# Altium PCB Fornello.PcbDoc (part 1 of 2) (continued)
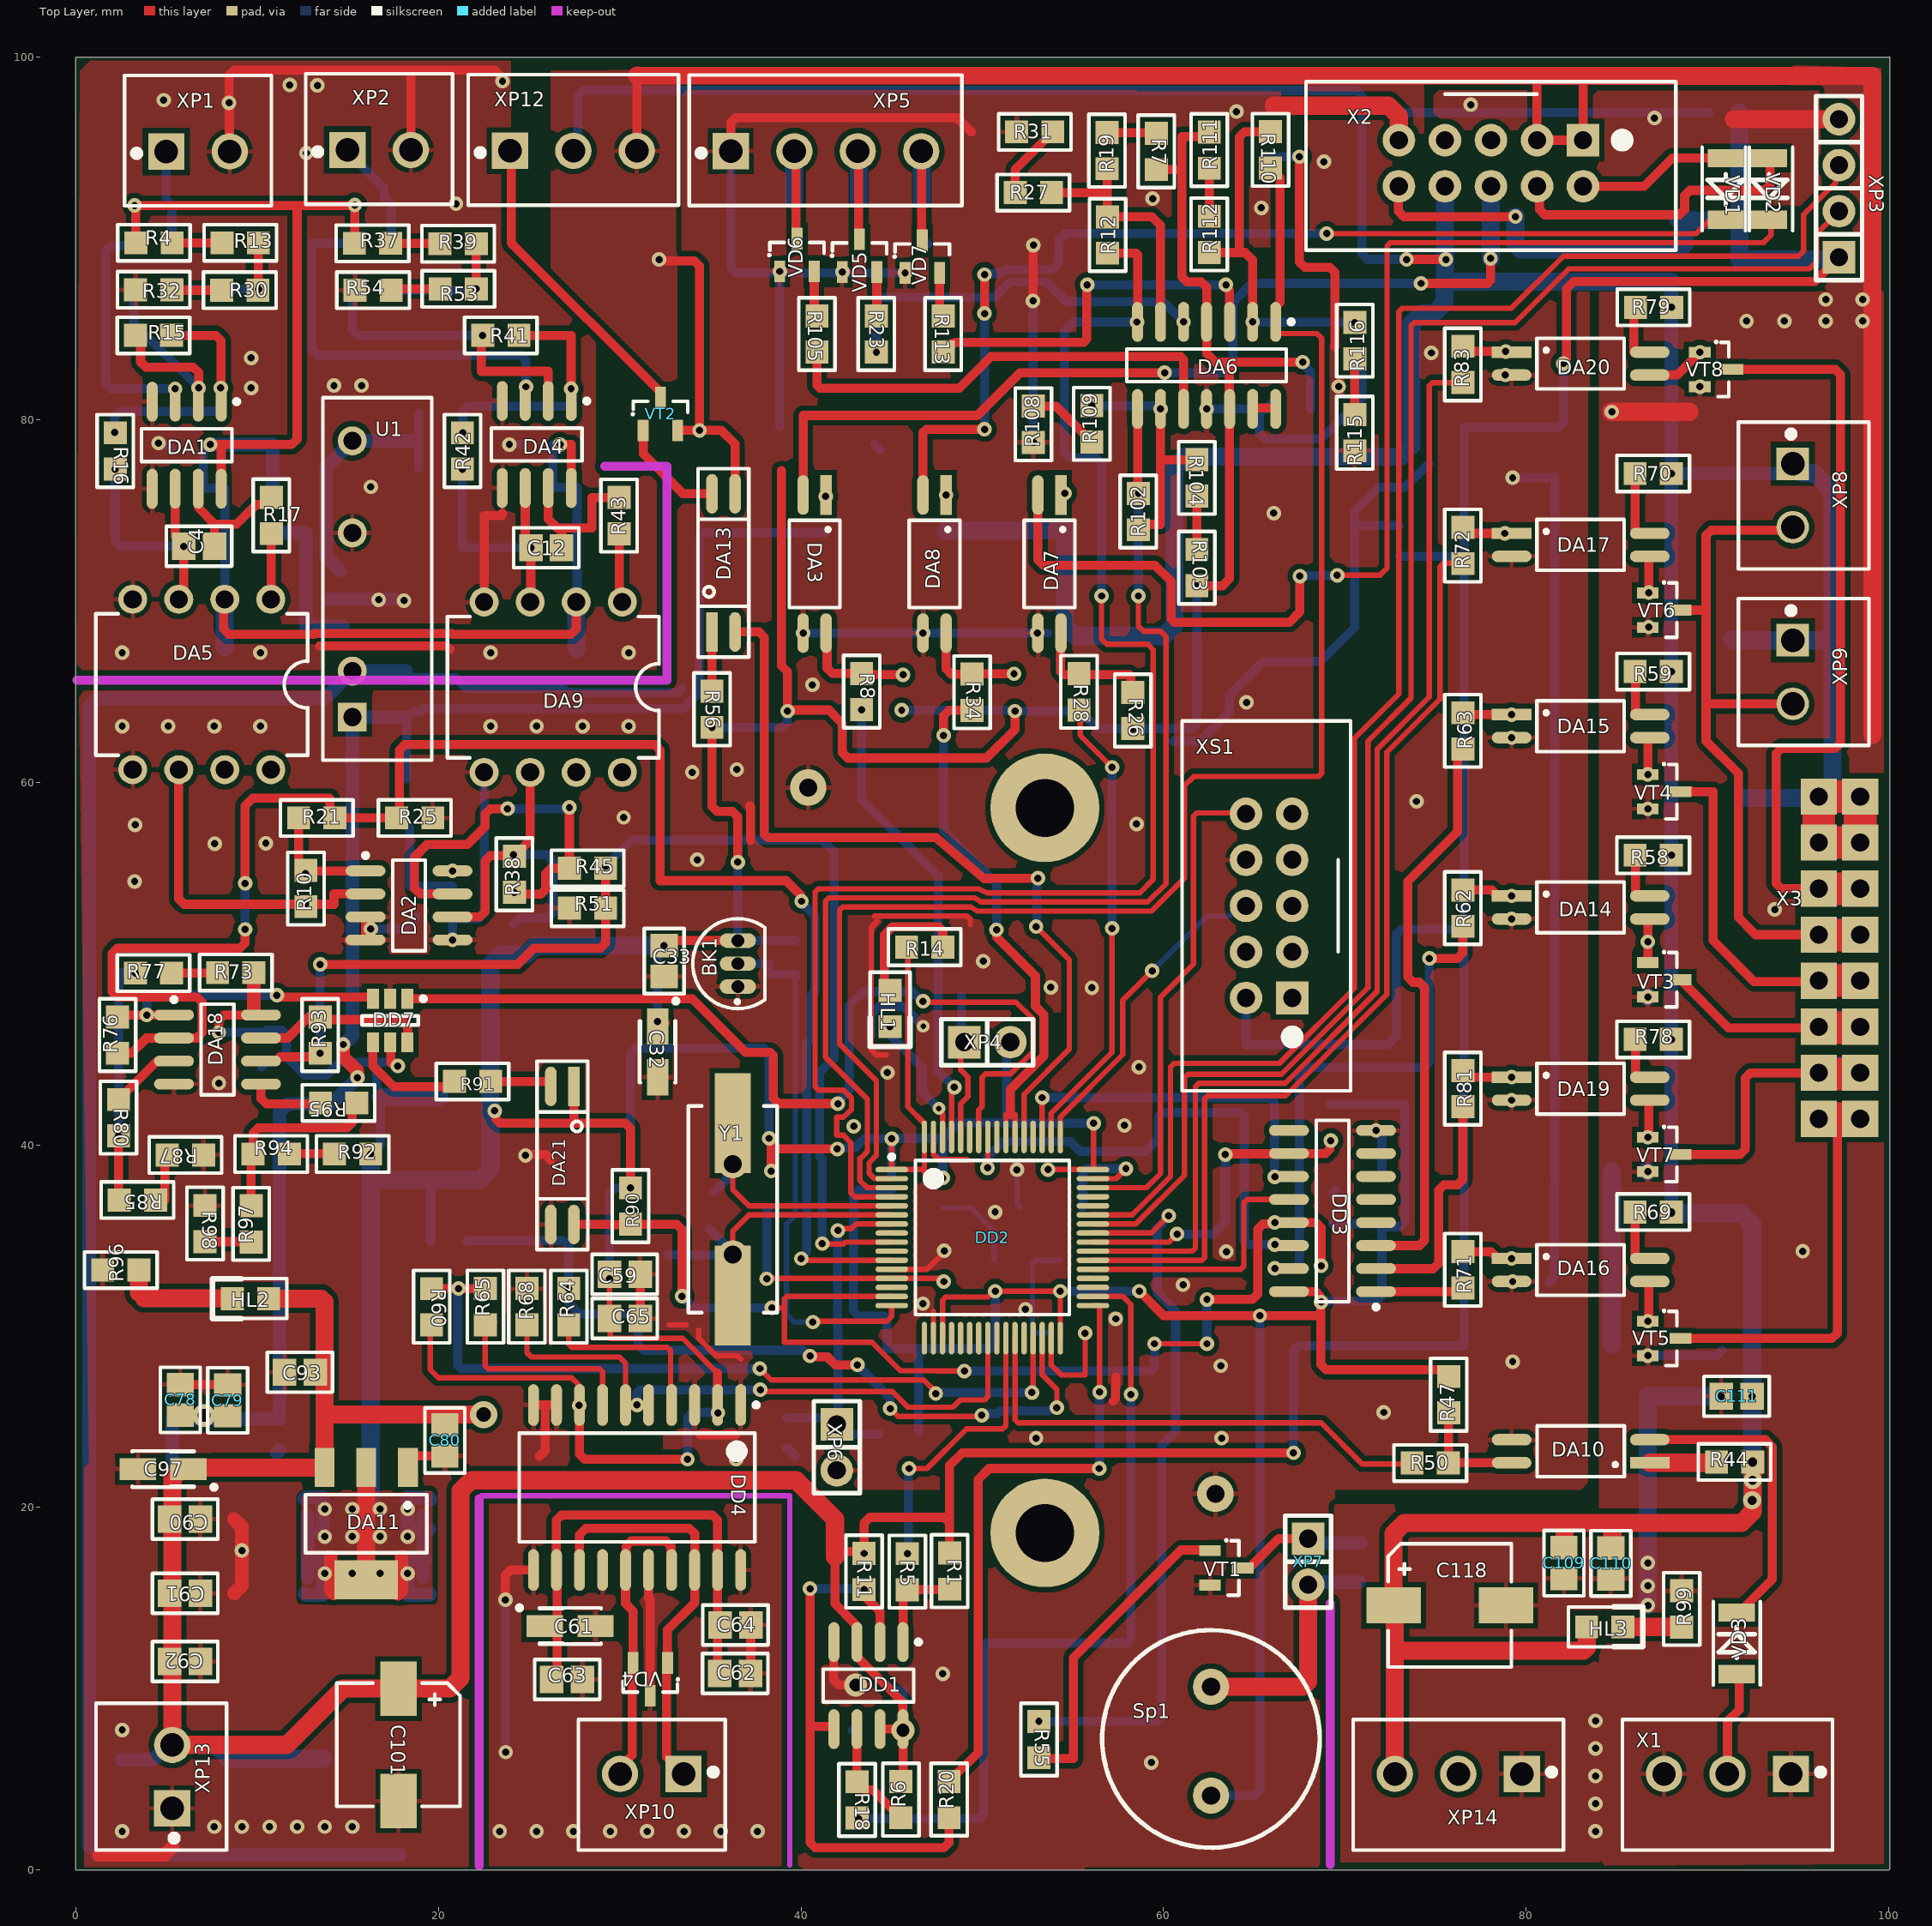
[diagram p0: Top Layer view]
## Footprints (in the part's own frame and the unit in brackets; to place one, negate y for a bottom-side part, rotate by r counter-clockwise, add the part's x,y. Pads: shape width x height; smd on the part's side, far side on the other; paste and mask are expansions set on the pad)
6.3D [mm]
  rect 3x2 smd: 1(-3.1,0) 2(3.1,0)
  silkscreen extent -3.4,-3.4 3.4,3.4, body extent -3.5,-3.3 3.5,3.3, height 5.4
15EDGVC-3.5-02P#1 [mm]
  rect 2x2 hole 1.3: 1(-1.75,0)
  round 2 hole 1.3: 2(1.75,0)
  silkscreen extent -4.05,-3 4.05,4.2, body extent -3.9,-3 3.9,4.2, height 9.21
15EDGVC-3.5-02P#2 [mm]
  rect 1.8x1.8 hole 1.3: 1(-1.75,0)
  round 1.8 hole 1.3: 2(1.75,0)
  silkscreen extent -4.05,-3 4.05,4.2, body extent -3.9,-3 3.9,4.2, height 9.21
15EDGVC-3.5-03P-2 [mm]
  rect 2x2 hole 1.3: 1(-1.75,0)
  round 2 hole 1.3: 2(1.75,0) 3(5.25,0)
  silkscreen extent -4.05,-3 7.55,4.2, body extent -3.9,-6.34 7.4,4.77, height 18.12
15EDGVC-3.5-04P [mm]
  rect 2x2 hole 1.3: 1(0,0)
  round 2 hole 1.3: 2(3.5,0) 3(7,0) 4(10.5,0)
  silkscreen extent -2.3,-3 12.75,4.2, body extent -2.15,-6.34 12.6,4.77, height 18.12
0805 [mm]
  rect 1.27x1.27 smd: 1(-1,0) 2(1,0)
  silkscreen extent -2,-1 2,1, body extent -1,-0.6 1,0.6, height 0.95
cap0805 [mm]
  rect 1.3x1.5 smd: 1(-0.85,0) 2(0.85,0)
  silkscreen extent -1.8,-1.1 1.8,1.1, body extent -1,-0.62 1,0.63, height 0.61
DIP8 [mm]
  round 1.6 hole 1: 1(-3.81,-4.699) 2(-1.27,-4.699) 3(1.27,-4.699) 4(3.81,-4.699) 5(3.81,4.699) 6(1.27,4.699) 7(-1.27,4.699) 8(-3.81,4.699)
  silkscreen extent -5.84,-3.9 5.84,3.9, body extent -5.5,-5.2 5.5,5.2, height 4.64
IDC-10 [mm]
  rect 1.8x1.8 hole 1: 1(-5.08,-1.27)
  round 1.8 hole 1: 2(-5.08,1.27) 3(-2.54,-1.27) 4(-2.54,1.27) 5(0,-1.27) 6(0,1.27) 7(2.54,-1.27) 8(2.54,1.27) 9(5.08,-1.27) 10(5.08,1.27)
  silkscreen extent -10.2,-4.5 10.2,4.8, body extent -10.2,-4.45 10.2,4.9, height 9.35
Led0805 [mm]
  rect 1.27x1.27 smd: 1(-1,0) 2(1,0)
  silkscreen extent -2,-1.1 2.1,1.1, body extent -1.01,-0.62 1.01,0.62, height 1.11
LQFP64 [mm] "Thin QFP, 64-Leads, Body 10x10mm, Pitch 0.5mm, IPC Medium Density"
  oval 1.8x0.3 smd: 1(-5.55,3.75) 2(-5.55,3.25) 3(-5.55,2.75) 4(-5.55,2.25) 5(-5.55,1.75) 6(-5.55,1.25) 7(-5.55,0.75) 8(-5.55,0.25) 9(-5.55,-0.25) 10(-5.55,-0.75) 11(-5.55,-1.25) 12(-5.55,-1.75) 13(-5.55,-2.25) 14(-5.55,-2.75) 15(-5.55,-3.25) 16(-5.55,-3.75) 33(5.55,-3.75) 34(5.55,-3.25) 35(5.55,-2.75) 36(5.55,-2.25) 37(5.55,-1.75) 38(5.55,-1.25) 39(5.55,-0.75) 40(5.55,-0.25) 41(5.55,0.25) 42(5.55,0.75) 43(5.55,1.25) 44(5.55,1.75) 45(5.55,2.25) 46(5.55,2.75) 47(5.55,3.25) 48(5.55,3.75)
  oval 0.3x1.8 smd: 17(-3.75,-5.55) 18(-3.25,-5.55) 19(-2.75,-5.55) 20(-2.25,-5.55) 21(-1.75,-5.55) 22(-1.25,-5.55) 23(-0.75,-5.55) 24(-0.25,-5.55) 25(0.25,-5.55) 26(0.75,-5.55) 27(1.25,-5.55) 28(1.75,-5.55) 29(2.25,-5.55) 30(2.75,-5.55) 31(3.25,-5.55) 32(3.75,-5.55) 49(3.75,5.55) 50(3.25,5.55) 51(2.75,5.55) 52(2.25,5.55) 53(1.75,5.55) 54(1.25,5.55) 55(0.75,5.55) 56(0.25,5.55) 57(-0.25,5.55) 58(-0.75,5.55) 59(-1.25,5.55) 60(-1.75,5.55) 61(-2.25,5.55) 62(-2.75,5.55) 63(-3.25,5.55) 64(-3.75,5.55)
  silkscreen extent -5.67,-4.25 4.25,4.57, body extent -6,-6 6,6, height 1.6
Pl_connect [mm]
  rect 2x2 hole 1: 1(-1.143,0) 2(1.143,0) 3(-1.143,2.54) 4(1.143,2.54) 5(-1.143,5.08) 6(1.143,5.08) 7(-1.143,7.62) 8(1.143,7.62) 9(-1.143,10.16) 10(1.143,10.16) 11(-1.143,12.7) 12(1.143,12.7) 13(-1.143,15.24) 14(1.143,15.24) 15(-1.143,17.78) 16(1.143,17.78)
PLS2 [mm]
  rect 1.8x1.8 hole 1: 1(0,-1.27)
  round 1.8 hole 1: 2(0,1.27)
  silkscreen extent -1.27,-2.54 1.27,2.53, body extent -1.27,-2.54 1.27,2.54, height 8.54
PLS4 [mm]
  rect 1.8x1.8 hole 1: 1(0,-3.81)
  round 1.8 hole 1: 2(0,-1.27) 3(0,1.27) 4(0,3.81)
  silkscreen extent -1.27,-5.08 1.27,5.08, body extent -1.27,-5.08 1.27,5.08, height 8.44
res0805 [mm]
  rect 1.27x1.27 smd: 1(-1,0) 2(1,0)
  silkscreen extent -2,-1 2,1, body extent -1,-0.63 1,0.62, height 0.61
SIP7S [mm]
  rect 1.6x1.6 hole 1: 1(-7.62,1.778)
  round 1.6 hole 1: 2(-5.08,1.778) 3(2.54,1.778) 4(7.62,1.778)
  silkscreen extent -10,-2.6 10,3.4, body extent -10,-2.6 10,3.4, height 9.31
SO-8 [mm] "8-Pin Small Outline Integrated Circuit 1.27 mm Pitch, IPC Medium Density"
  oval 2.2x0.6 smd: 1(-2.4,1.905) 2(-2.4,0.635) 3(-2.4,-0.635) 4(-2.4,-1.905) 5(2.4,-1.905) 6(2.4,-0.635) 7(2.4,0.635) 8(2.4,1.905)
  silkscreen extent -2.52,-2.5 0.9,2.88, body extent -3,-2.45 3,2.45, height 1.6
SO-8_N [mm] "8-Pin Small Outline Integrated Circuit 1.27 mm Pitch, IPC Medium Density"
  oval 2.2x0.6 smd: 1(-2.4,1.905) 2(-2.4,0.635) 3(-2.4,-0.635) 4(-2.4,-1.905) 5(2.4,-1.905) 6(2.4,-0.635) 7(2.4,0.635) 8(2.4,1.905)
  silkscreen extent -2.52,-2.5 0.9,2.88, body extent -1.95,-2.45 1.95,2.45, height 1.75
SO-14 [mm]
  oval 2.2x0.6 smd: 1(-2.4,3.81) 2(-2.4,2.54) 3(-2.4,1.27) 4(-2.4,0) 5(-2.4,-1.27) 6(-2.4,-2.54) 7(-2.4,-3.81) 8(2.4,-3.81) 9(2.4,-2.54) 10(2.4,-1.27) 11(2.4,0) 12(2.4,1.27) 13(2.4,2.54) 14(2.4,3.81)
  silkscreen extent -2.52,-4.4 0.9,4.79, body extent -3,-4.34 3,4.35, height 1.6
SO-16 [mm] "16-Pin Small Outline Integrated Circuit 1.27 mm Pitch, IPC Medium Density"
  oval 2.2x0.6 smd: 1(-2.4,4.445) 2(-2.4,3.175) 3(-2.4,1.905) 4(-2.4,0.635) 5(-2.4,-0.635) 6(-2.4,-1.905) 7(-2.4,-3.175) 8(-2.4,-4.445) 9(2.4,-4.445) 10(2.4,-3.175) 11(2.4,-1.905) 12(2.4,-0.635) 13(2.4,0.635) 14(2.4,1.905) 15(2.4,3.175) 16(2.4,4.445)
  silkscreen extent -2.53,-5 0.9,5.42, body extent -3,-4.95 3,4.95, height 1.4
SO-20_N [mm] "20-Pin Small Outline Integrated Circuit (SOIC20), IPC Medium Density"
  oval 2.3x0.6 smd: 1(-4.55,5.715) 2(-4.55,4.445) 3(-4.55,3.175) 4(-4.55,1.905) 5(-4.55,0.635) 6(-4.55,-0.635) 7(-4.55,-1.905) 8(-4.55,-3.175) 9(-4.55,-4.445) 10(-4.55,-5.715) 11(4.55,-5.715) 12(4.55,-4.445) 13(4.55,-3.175) 14(4.55,-1.905) 15(4.55,-0.635) 16(4.55,0.635) 17(4.55,1.905) 18(4.55,3.175) 19(4.55,4.445) 20(4.55,5.715)
  silkscreen extent -4.67,-6.5 3,6.69, body extent -3.75,-6.4 3.75,6.4, height 2.65
SOD80 [mm]
  rect 1x2 smd: 1(-1.7,0) 2(1.7,0)
  silkscreen extent -2.3,-1.3 2.3,1.3, body extent -1.85,-0.8 1.85,0.8, height 1.6
SOP4 [mil] "SSOP4"
  rect 24.96x86 smd: 1(-25,-150)
  oval 24.96x86 smd: 2(25,-150) 3(25,150) 4(-25,150)
  silkscreen extent -55,-95 55,94, body extent -55,-138 55,138, height 83
SOT23 [mm]
  rect 1.2x0.6 smd: 1(-0.9,0.95) 2(-0.9,-0.95) 3(0.9,0)
  silkscreen extent 0,-1.5 0.7,1.53, body extent -1.25,-1.5 1.25,1.5, height 1.06
SOT23-6 [mm] "SOT23, 5-Leads, Body 2.9x1.6mm, Pitch 0.95mm, Lead Span 2.8mm, IPC Medium Density"
  rect 1.1x0.65 smd: 1(-1.2,0.95) 2(-1.2,0) 3(-1.2,-0.95) 4(1.2,-0.95) 5(1.2,0) 6(1.2,0.95)
  silkscreen extent -1.32,-1.55 0.25,1.95, body extent -1.21,-1.4 1.21,1.4, height 1.09
SOT89 [mm] "SOT-89; Body 4.6 x 4.25 mm, inc. leads (LxW max)"
  oct 1.9x3.3 smd: 0(0,1.388)
  rect 0.7x1.35 smd: 1(-1.5,-1.388) 3(1.5,-1.388)
  rect 0.7x1.8 smd: 2(0,-1.162)
  silkscreen extent -2.5,-2.51 2.5,3.49, body extent -2.25,-1.51 2.25,2.49, height 1.51
SOT223 [mm] "SOT-223/SC-73; 4 Leads; Body 6.7 x 7.3 mm, inc. leads (LxW max)"
  rect 1.1x2.15 smd: 1(-2.3,-3.1) 2(0,-3.1) 3(2.3,-3.1)
  rect 3.5x2.15 smd: 4(0,3.1)
  silkscreen extent -3.35,-1.6 3.35,1.6, body extent -3.25,-3.48 3.25,3.48, height 1.69
Speaker [mm]
  round 2 hole 1: 1(0,3) 2(0,-3)
  silkscreen extent -6,-5.87 5.99,6.13
TC3216-1206-A [mm] "Capacitor, SM Tantalum; Body 3.2 x 1.6 mm (LxW typ)"
  rect 2x1.2 smd: 1(-1.4,0) 2(1.4,0)
  silkscreen extent -2.93,-1 1.7,1.12, body extent -1.6,-0.8 1.6,0.8, height 1.62
TO-92 [mm]
  oval 2x0.8 hole 0.7: 1(0,-1.27) 2(0,0) 3(0,1.27)
  silkscreen extent -2.48,-2.48 1.5,2.48, body extent -2.22,-2.38 1.41,2.38, height 5.74
XT49M [mm]
  round 1.6 hole 1: 1(2.5,0) 2(-2.5,0)
  rect 5.5x2 smd: 1(4.75,0) 2(-4.75,0)
  silkscreen extent -5.7,-2.45 5.7,2.45, body extent -6.4,-2.41 6.4,2.41, height 4.31

## Part data
BK1: "Датчик Далласа", Package=TO-92, Group=Микросхемы, HelpURL=\DATA\DS18B20.pdf, NPads=3, Part Number=DS18B20, SType=TH, ValueSCH=DS18B20
C1 C3 C5 C7 C9 C14 C23 C27 C28 C30 C32 C34 C60 C61 C97 C107 C108 C119 C121 C123: library part capA, "Танталовый конденсатор, SMD", Package="SMD A", Group=Конденсаторы, NPads=2, Part Number=capA, SType=SMD
  C1 C3 C5 C9 C14 C23 C27 C28 C30 C32 C34 C60 C61 C97 C107 C108 C119 C121 C123: ValueSCH=6.8uF
  C7: ValueSCH=6,8uF
C2 C4 C6 C8 C10 C11 C12 C13 C15 C16 C17 C18 C19 C20 C21 C22 C24 C25 C26 C29 C31 C33 C35 C36 C37 C38 C39 C40 C41 C42 C43 C44 C45 C46 C47 C48 C49 C50 C51 C52 C53 C58 C59 C62 C63 C64 C65 C66 C67 C68 C69 C78 C79 C80 C81 C82 C83 C84 C85 C86 C87 C88 C89 C90 C91 C92 C93 C94 C95 C96 C98 C99 C109 C110 C111 C112 C113 C114 C115 C116 C117 C120: library part cap0805, "Керамический конденсатор, SMD", Package="SMD 0805", Group=Конденсаторы, NPads=2, Part Number=cap0805, SType=SMD
  C2 C4 C10 C12: ValueSCH=100pF
  C6 C18 C19 C20 C21 C22 C25 C33 C36 C37 C38 C39 C40 C41 C42 C43 C44 C45 C46 C47 C48 C49 C50 C51 C52 C53 C58 C59 C62 C63 C66 C67 C68 C69 C78 C79 C80 C81 C82 C83 C84 C85 C86 C87 C88 C89 C90 C91 C92 C93 C95 C96 C98 C109 C110 C111 C112 C113 C114 C115 C116 C117: ValueSCH=100n
  C8 C24 C26 C29 C31 C35 C120: ValueSCH=0.1uF
  C11 C13: ValueSCH="20 pF"
  C15 C16: ValueSCH=2.2uF
  C17: ValueSCH="100 nF"
  C64 C65 C94 C99: ValueSCH=10n
C101 C118: library part UCD1V101MCL6GS, "Алюминиевый конденсатор 6.3mm", Package="Can - SMD", Group=Конденсаторы, NPads=2, Part Number=UCD1V101MCL6GS, SType=SMD, ValueSCH=220uF
DA1 DA2 DA4 DA18: "Операционный усилитель 2 в 1", Package=SO-8, Group=Микросхемы, NPads=8, Part Number=AD8602ARZ, SType=SMD, ValueSCH=AD8602ARZ
DA3 DA7 DA8 DA10 DA13 DA14 DA15 DA16 DA17 DA19 DA20 DA21: "Оптопара", Package=SOP4, Group=Микросхемы, HelpURL=\DATA\PS2801.pdf, NPads=4, Part Number=PS2801, SType=SMD, ValueSCH=PS2801
DA5 DA9: "Аналоговый оптрон прецизионный", Package=SOP-8, Group=Микросхемы, NPads=8, Part Number=HCNR200-000E, SType=TH, ValueSCH=HCNR200-000E
DA6: "Операционный усилитель 4 в 1", Package=SO-14, Group=Микросхемы, NPads=14, Part Number=AD8604ARZ, SType=SMD, ValueSCH=AD8604ARZ
DA11: "Линейный стабилизатор 3.3V", Package=SOT223, Analog=SPX1117M3L-3.3, Group=Микросхемы, HelpURL=\DATA\LM1117.pdf, NPads=4, Part Number=LM1117MP-3.3, SType=SMD, ValueSCH=LM1117MP-3.3
DA12: "Линейный стабилизатор 3.3V", Package=SOT89, Group=Микросхемы, NPads=4, Part Number=L78L33ACUTR, SType=SMD, ValueSCH=L78L33ACUTR
DD1: library part FM25040S
DD2: "Микроконтроллер 32 бит CORTEX M4", Package=LQFP64, Group=Микросхемы, NPads=64, Part Number=STM32F405RGT6, SType=SMD, ValueSCH=STM32F405RGT6
DD3: "3-х разрядный сдвиговый регистр", Package=SO-16, Group=Микросхемы, NPads=16, Part Number=MC74HC595AD, SType=SMD, ValueSCH=MC74HC595AD
DD4: "Трансивер RS-485 / RS-422", Package=SO-20, Group=Микросхемы, HelpURL=\DATA\ADM2587E.pdf, NPads=20, Part Number=ADM2587E, SType=SMD, ValueSCH=ADM2587E
DD7: library part SN74LVC1G11DBVR, "Блок одиночный 3И", Package=SOT23-6, Group=Микросхемы, NPads=6, Part Number=SN74LVC1G11DBVR, SType=SMD, ValueSCH=SN74LVC1G97
HL1: "SMD светодиод зеленый", Package="SMD 0805", Group=Диоды, NPads=2, Part Number=KP-2012SGC, SType=SMD, ValueSCH=KP-2012SGC
HL2 HL3: "SMD светодиод красный", Package="SMD 0805", Group=Диоды, NPads=2, Part Number=KP-2012SRC, SType=SMD, ValueSCH=KP-2012SRC
L1 L2 L3: library part L0805, "Чип-индуктивность, SMD", Package="SMD 0805", NPads=2, Part Number=L0805, SType=SMD, ValueSCH=0.47uH
  L1: Group=Индукивности
  L2 L3: Group=Индуктивности
R1 R2 R3 R4 R5 R6 R7 R8 R9 R10 R11 R12 R13 R14 R15 R16 R17 R18 R19 R20 R21 R22 R23 R24 R25 R26 R27 R28 R29 R30 R31 R32 R33 R34 R35 R36 R37 R38 R39 R40 R41 R42 R43 R44 R45 R46 R47 R48 R49 R50 R51 R52 R53 R54 R55 R56 R57 R58 R59 R60 R61 R62 R63 R64 R65 R66 R67 R68 R69 R70 R71 R72 R73 R74 R75 R76 R77 R78 R79 R80 R81 R82 R83 R84 R85 R86 R87 R88 R89 R90 R91 R92 R93 R94 R95 R96 R97 R98 R99 R102 R103 R104 R105 R106 R107 R108 R109 R110 R111 R112 R113 R114 R115 R116: library part res0805, "Резистор 0.125 W, SMD", Package="SMD 0805", Group=Резисторы, NPads=2, Part Number=res0805, SType=SMD
  R1 R6 R11 R57 R60 R61 R68 R82 R84: ValueSCH=4.7k
  R2 R3 R21 R26 R29 R33 R35 R36 R37 R41 R44 R45 R47 R58 R59 R66 R67 R69 R70 R74 R75 R78 R79 R88 R89: ValueSCH=1k
  R4: ValueSCH=4k
  R5 R17 R18 R20 R31 R43 R64 R65 R108 R115: ValueSCH=100
  R7 R19 R25 R97 R103 R104 R111 R112: ValueSCH=2.4k
  R8 R9 R28 R34 R50 R94 R96: ValueSCH=470
  R10 R38: ValueSCH=150k
  R12 R102 R110: ValueSCH=200k
  R13: ValueSCH=600
  R14 R91: ValueSCH=300
  R15: ValueSCH=51k
  R16 R42: ValueSCH=100k
  R22 R24 R46 R49: ValueSCH=10k
  R23 R80 R95 R105 R113: ValueSCH=39k
  R27 R109 R116: ValueSCH=510
  R30 R53: ValueSCH=7.5k
  R32 R39 R54 R92: ValueSCH=0
  R40: ValueSCH=1M
  R48 R52 R86: HelpURL=C:\intmash\DBLIB2\DATASHEETS\Resistors\passive09-resistors-smd.pdf, ValueSCH=10k
  R51: ValueSCH=2.2k
  R55: HelpURL=C:\intmash\DBLIB2\DATASHEETS\Resistors\passive09-resistors-smd.pdf, ValueSCH=1k
  R56 R62 R63 R71 R72 R81 R83: ValueSCH=330
  R73: ValueSCH=220
  R76 R93: ValueSCH=100M
  R77: ValueSCH=1.5k
  R85: ValueSCH=20k
  R87 R90 R98: ValueSCH=3.3k
  R99: ValueSCH=2k
  R106 R107 R114: ValueSCH=4.3k
U1: "Преобразователь 1Вт 5В ->5В", Package=SIP7, Group=Микросхемы, NPads=4, Part Number=AM1D-0505SH30N, SType=TH, ValueSCH=AM1D-0505SH30N
VD1 VD2 VD3: library part TZMC13, "Стабилитрон 13V", Package=SOD80, Analog="ZMM13, BZV55C13", Group=Диоды, HelpURL=\DATA\tzmc13.pdf, NPads=2, Part Number=TZMC13, SType=SMD, ValueSCH=TZMC4V7
VD4: "TVS диодная сборка 2 в 1", Package=SOT23-3, Analog=F6450CT-ND, Group=Диоды, NPads=3, Part Number=SM712-02HTG, SType=SMD, ValueSCH=SM712-02HTG
VD5 VD6 VD7: "Диодная сборка 2 в 1", Package=SOT23-3, Group=Диоды, NPads=3, Part Number=BAV99, SType=SMD, ValueSCH=BAV99
VT1 VT2 VT3 VT4 VT5 VT6 VT7 VT8: "N-канальный MOSFET 30В 1.2А", Part Number=IRLML2803TR, ValueSCH=IRLML2803TR
X1 XP12 XP14: "Вилка на плату 3 конт. шаг 3.5мм", Group=Разъемы, NPads=3, Part Number=15EDGVC-3.5-03P, SType=TH, ValueSCH=15EDGVC-3.5-03P
X2 XS1: "Вилка на плату 5х2 контактов шаг 2.54мм", Group=Разъемы, NPads=10, Part Number=IDC-10, SType=TH, ValueSCH=IDC-10
X3: "Розетка на плату 8х2 контактов.2,54 х 2,54 мм", Group=Разъемы, NPads=16, Part Number=PBD-16, SType=TH, ValueSCH=PBD-16
XP1 XP2 XP8 XP9 XP10 XP13: "Вилка на плату 2 конт. шаг 3.5мм", Group=Разъемы, NPads=2, Part Number=15EDGVC-3.5-02P, SType=TH, ValueSCH=15EDGVC-3.5-02P
  XP8 XP9: AddToBOM=15EDGK-3.5-02P
XP3: "Однорядный штыревой разъем 4 шаг 2.54мм", ValueSCH=PLS-4
XP4 XP6 XP7: "Однорядный штыревой разъем 2 шаг 2.54мм", ValueSCH=PLS-2
XP5: "Вилка на плату 4 конт. шаг 3.5мм", AddToBOM=15EDGK-3.5-04P, Group=Разъемы, NPads=4, Part Number=15EDGVC-3.5-04P, SType=TH, ValueSCH=15EDGVC-3.5-04P
Y1: library part HC-49/U-S, "Кварцевый осциллятор 3.2 - 60 MHz", Group=Резонаторы, HelpURL=\DATA\HC-49.pdf, NPads=2, Part Number=HC-49/U-S, SType=TH, ValueSCH=8MHz

## Free pads (board coordinates)
  round 2 hole 1: 2(40.402,59.718) 3(62.865,20.752)
  round 6 hole 3.2: ""(53.457,18.595) ""(53.457,58.595)

## Via types
v1: diameter 0.8, hole 0.4, Top Layer to Bottom Layer, tented both sides, 184 vias
v2: diameter 0.8, hole 0.4, Top Layer to Bottom Layer, 148 vias
v3: diameter 1.27, hole 0.711, Top Layer to Bottom Layer, 3 vias
v4: diameter 1, hole 0.5, Top Layer to Bottom Layer, tented both sides, 3 vias
v5: diameter 2, hole 1, Top Layer to Bottom Layer, 1 vias
v6: diameter 0.7, hole 0.3, Top Layer to Bottom Layer, 1 vias
v7: diameter 2, hole 1, Top Layer to Bottom Layer, tented bottom, 1 vias
v8: diameter 0.7, hole 0.3, Top Layer to Bottom Layer, tented both sides, 1 vias
v9: diameter 1.5, hole 0.8, Top Layer to Bottom Layer, 1 vias

## Nets (pads, with @x,y where several pads share a name; then routed paths per layer and width w, separated by ;. In a path a pad name is that pad's centre, name@x,y a point inside that pad or via, vN(x,y) a via of type N, cw(c..) or ccw(c..) an arc to the next point about the centre after c; other vN are vias at no path point)
3.3AV: C1.1 C9.1 C28.1 C29.2 C34.1 C35.2 DA1.8 DA4.8 DA5.2 DA9.2 L3.2 R3.2 R4.2 R36.2 R37.2 | length 94.5
  Top Layer w0.5: R4.2@3.308,89.766 3.308,91.675 3.242,91.742 v1(3.242,91.823) 15.364,91.823 v1(15.389,91.849) 15.389,89.563 R37.2@15.415,89.563 ; v1(7.407,78.641) 11.915,78.641 12.208,78.934 12.208,91.544 ; DA1.8@8.021,76.204 8.021,78.641 ; DA5.2@8.216,70.102 8.144,70.03 8.144,68.469 8.437,68.176 13.113,68.176 13.162,68.226 20.743,68.226 20.792,68.176 27.311,68.176 27.604,68.469 DA9.2@27.604,69.954 ; v1(26.714,78.641) 27.331,78.641 DA4.8@27.331,76.241
  Bottom Layer w0.5: C29.2@7.038,76.202 C29.2@7.038,76.228 ; v1(7.407,78.641) 7.388,78.641 7.038,78.291 C29.2@7.038,76.228 ; DA5.2@8.216,70.102 8.216,76.228 C29.2@7.038,76.228 ; L3.2@10.785,75.755 L3.2@10.862,75.755 ; C35.2@26.317,76.202 C35.2@26.317,76.279 ; v1(26.714,78.641) 26.317,78.641 C35.2@26.317,76.279 ; DA9.2@27.604,69.954 27.651,69.954 27.651,76.279 C35.2@26.317,76.279
  Bottom Layer w0.75: C28.1@7.486,78.631 10.862,78.631 L3.2@10.862,75.755
  Bottom Layer w1: DA5.2@8.216,70.102 8.216,67.497 C9.1@8.248,67.465 ; DA9.2@27.604,69.954 27.604,67.392 C1.1@27.648,67.348
3.3V: BK1.3 C5.1 C6.1 C7.1 C8.1 C19.1 C20.1 C21.1 C22.1 C32.1 C33.1 C36.2 C37.2 C38.2 C39.2 C40.2 C41.2 C42.2 C43.2 C44.2 C45.1 C46.1 C47.1 C48.1 C49.1 C50.1 C51.1 C58.1 C59.1 C60.1 C65.1 C119.1 C120.1 C121.1 C123.1 DA6.4 DA6.12 DA11.2 DA11.4 DA18.8 DA21.1 DD2.1 DD2.19 DD2.32 DD2.48 DD2.64 DD3.16 DD4.2 DD4.8 DD7.5 L1.1 R2.2 R7.2 R14.1 R26.2 R33.2 R47.2 R52.1 R56.2 R57.2 R60.2 R61.2 R73.2 R82.2 R84.2 R90.2 R92.2 R103.2 R111.2 Sp1.2 XP4.2 | length 478.4
  Top Layer w0.3: R60.2@19.548,30 19.548,27.6 19.995,27.154 27.344,27.154 27.727,26.77 27.727,25.671 v2(27.764,25.631) ; v2(29.431,32.616) C65.1@29.431,30.432 C65.1@29.431,30.078 ; C65.1@29.685,30.078 C65.1@29.431,30.078 ; 35.405,27.402 33.475,29.332 29.48,29.332 29.48,30.029 C65.1@29.431,30.078 ; v2(45.008,40.349) DD2.1@45.008,38.641 46.636,38.641 ; R14.1@45.828,50.913 45.899,50.842 45.899,42.1 46.808,41.191 46.808,38.45 46.984,38.274 47.732,38.274 v1(47.828,38.179) ; DD2.19@47.808,29.341 47.808,31.438 47.984,31.614 50.298,31.614 50.614,31.93 v1(50.723,31.93) v1(54.305,31.93) 54.308,31.927 DD2.32@54.308,29.341 ; v1(53.624,38.641) DD2.48@56.145,38.641 ; v1(56.145,41.201) DD2.48@56.145,38.641 ; DD2.48@56.726,38.641 DD2.48@56.145,38.641
  Top Layer w0.5: v1(7.89,46.208) 7.89,46.877 8.183,47.17 DA18.8@10.214,47.17 ; DD7.5@17.339,45.665 17.377,45.627 17.377,44.542 17.415,44.504 17.527,44.504 17.677,44.354 v1(17.759,44.354) ; R60.2@19.548,30 R60.2@19.625,30.076 ; v2(23.102,41.887) 23.16,41.83 23.16,41.437 23.395,41.201 30.304,41.201 30.597,40.908 v2(30.597,37.629) ; 27.473,41.494 DA21.1@27.473,43.233 ; v2(27.764,25.631) v2(27.764,25.631) ; DD4.8@27.785,25.654 27.785,22.952 28.078,22.659 v2(33.744,22.659) ; v1(32.096,46.799) 32.153,46.741 C32.1@32.5,46.741 ; C33.1@32.452,50.763 32.552,50.763 33.062,51.274 BK1.3@36.516,51.274 ; v1(35.093,63.036) 35.093,58.69 35.386,58.397 36.223,58.397 36.516,58.104 v2(36.516,55.603) ; DD4.2@35.405,25.654 35.405,27.402 ; v1(38.354,38.56) 38.354,39.779 ; v2@38.354,40.117 38.354,39.779 ; 38.929,77.193 38.929,66.449 39.259,66.119 v1(39.259,63.934) ; v1@39.513,63.994 41.545,63.994 42.263,63.276 42.263,63.189 42.291,63.161 42.291,61.636 42.584,61.343 50.232,61.343 51.806,62.918 v1(51.806,63.934) ; v2(42.008,39.779) 38.354,39.779 ; v2(58.664,31.93) 60.011,30.584 68.672,30.584 ; R7.2@59.604,93.811 60.907,93.811 61.015,93.703 ; 61.03,95.633 61.015,95.618 61.015,93.703 ; 61.052,95.633 62.278,95.633 R111.2@62.525,95.881 ; v2(61.839,70.85) 63.261,70.85 63.648,71.237 DA6.12@63.648,80.606 63.629,80.625 63.629,83.137 ; DA6.4@62.378,85.406 62.378,87.314 62.086,87.607 61.308,87.607 61.015,87.9 61.015,93.703 ; DA6.4@62.378,85.406 62.379,83.658 62.811,83.227 ; 62.88,83.145 62.922,83.187 v2(67.681,83.187) ; DD3.16@66.925,31.912 68.405,31.912 68.64,31.676 68.64,31.394 v2(68.697,31.337) 68.672,31.311 68.672,30.584 ; R47.2@75.784,27.604 68.965,27.604 68.672,27.897 68.672,30.584
  Top Layer w0.75: DA18.8@9.82,47.245 R73.2@9.82,49.507 ; 14.066,17.279 14.066,15.416 14.214,15.268 ; DA11.4@16.016,16.004 16.016,17.173 ; 17.77,15.242 17.966,15.438 17.966,17.279
  Top Layer w1: 16.016,17.173 DA11.2@16.016,22.204
  Bottom Layer w0.5: v1(7.89,46.208) C120.1@10.388,46.208 ; C120.1@10.43,46.166 C120.1@10.388,46.208 ; v1(16.265,39.499) 16.801,40.035 16.801,42.646 ; 16.589,42.646 16.589,44.351 ; 16.589,44.439 16.462,44.566 ; v1(17.759,44.354) 17.677,44.354 17.466,44.566 16.462,44.566 ; 19.523,38.077 19.564,38.036 R61.2@19.564,34.673 ; v2(29.431,32.616) 29.431,37.336 29.724,37.629 v2(30.597,37.629) 30.597,45.049 30.89,45.341 37.95,45.341 38.243,45.049 v2(38.243,40.363) ; v1(32.096,46.799) 32.096,50.555 v1@32.452,50.911 ; v1@32.436,51.008 v1(32.452,50.992) ; v2(33.744,22.659) 33.744,24.957 34.037,25.25 35.398,25.25 v2(35.423,25.225) ; v1(35.093,63.036) 38.966,63.036 39.248,63.318 39.248,63.924 v1(39.259,63.934) ; v2(36.516,55.603) BK1.3@36.516,51.274 39.691,51.274 R57.2@39.691,51.269 ; v2(42.008,39.779) 42.066,39.836 42.98,39.836 43.493,40.349 v2(45.008,40.349) ; C37.2@44.993,40.365 v2(45.008,40.349) ; C123.1@45.008,37.541 43.184,37.541 42.891,37.248 42.891,30.851 43.184,30.559 44.585,30.559 C40.2@44.733,30.41 44.733,28.755 46.472,28.755 ; C123.1@45.008,38.331 v2(45.008,40.349) ; C37.2@45.024,40.365 47.828,40.365 ; v1(45.558,63.985) R2.2@45.609,63.985 51.756,63.985 v1(51.806,63.934) 55.413,63.934 56.378,62.969 v1(58.309,62.969) 61.547,62.969 61.839,63.262 v2(61.839,70.85) ; R52.1@46.482,24.234 46.482,28.746 46.472,28.755 ; C19.1@47.802,38.229 C19.1@47.828,38.255 ; v1(47.828,38.179) C19.1@47.828,38.255 ; v1(50.723,31.93) 50.723,29.048 50.431,28.755 46.472,28.755 ; XP4.2@51.348,45.672 51.348,41.201 ; v1(54.305,31.93) 56.853,31.93 C42.2@56.855,31.932 58.663,31.932 v2(58.664,31.93) ; v1(56.145,41.201) 51.348,41.201 ; Sp1.2@62.622,4.109 65.026,4.109 65.319,4.402 v2@65.319,30.635 ; v2(67.681,83.187) 67.681,83.087 68.113,82.656 C7.1@68.113,80.597 ; v2(68.697,31.337) 68.758,31.397 71.756,31.397 72.048,31.69 C5.1@72.048,35.476 ; R84.2@69.231,42.236 73.32,42.236 ; C6.1@69.325,35.657 71.868,35.657 C5.1@72.048,35.476 ; 73.32,42.217 73.32,35.769 73.027,35.476 C5.1@72.048,35.476 ; C120.1@10.388,46.208 10.512,46.332 11.37,46.332 11.63,46.072 11.63,44.859 12.646,43.843 13.823,43.843 14.546,44.566 16.462,44.566 ; C19.1@47.828,38.255 47.828,40.365 ; 47.828,40.365 48.69,41.227 51.322,41.227 51.348,41.201
  Bottom Layer w0.75: 12.589,20.475 12.675,20.561 13.628,20.561 13.628,18.509 13.732,18.406 v1(13.732,18.392) 13.718,18.392 13.449,18.661 12.778,18.661 ; 12.614,15.242 12.675,15.181 13.628,15.181 13.628,17.081 12.778,17.081 ; C43.2@12.778,16.131 12.778,17.081 ; C44.2@12.778,19.611 12.778,18.661 ; v1(18.304,18.392) 18.304,18.798 ; 18.317,20.561 18.304,20.548 ; C51.1@19.167,16.131 19.167,17.081 ; C50.1@19.167,19.611 19.167,18.798 ; 19.267,17.081 19.167,17.081 ; 19.505,18.798 19.167,18.798 ; 19.548,15.217 19.513,15.181 18.317,15.181 18.317,17.081 19.167,17.081 ; 19.574,20.449 19.476,20.548 18.304,20.548 ; 12.778,17.081 12.778,18.661 ; 18.304,18.798 19.167,18.798 ; 18.304,18.798 v1(18.304,19.916) 18.304,20.548 ; 19.167,17.081 19.167,18.798
  Bottom Layer w1: 16.231,20.5 16.265,20.535 16.265,38.077 ; v1(16.265,39.499) 16.265,38.077 ; 16.801,42.646 C121.1@20.059,42.646 ; v1@32.452,50.863 32.452,50.911 v1(32.452,50.992) 25.354,50.992 24.859,50.498 23.446,50.498 22.86,49.912 22.86,38.663 22.274,38.077 19.523,38.077 16.265,38.077
  other v1: 13.732,16.36 15.256,16.36 16.78,16.36 18.304,16.36 15.256,18.392 16.78,18.392 13.732,19.916 15.256,19.916 16.78,19.916
  other v2: 65.319,30.584
3.3VAC: C18.2 DD2.13 L1.2 | length 13.9
  Top Layer w0.3: v1(38.116,32.616) 38.141,32.641 47.566,32.641 47.743,32.464 v1(47.879,32.464)
  Bottom Layer w0.3: L1.2@38.116,36.322 L1.2@38.354,36.56
  Bottom Layer w0.5: v1(38.116,32.616) L1.2@38.116,36.322
3Ten: DD2.58 DD7.1 | length 52.8
  Top Layer w0.3: v2(46.736,47.924) 46.779,47.881 51.864,47.881 52.801,46.945 52.801,45.154 51.566,43.919 50.181,43.919 49.987,43.725 49.987,42.113 49.808,41.934 DD2.58@49.808,40.441
  Top Layer w0.5: DD7.1@18.289,48.065 33.995,48.065 36.947,45.113 38.296,45.113 38.471,44.937 38.471,42.572 38.764,42.279 v2(42.039,42.279)
  Bottom Layer w0.5: v2(42.039,42.279) 42.039,42.36 42.662,42.983 42.662,47.678 43.439,48.454 46.125,48.454 46.655,47.924 v2(46.736,47.924)
5AV: C30.1 C31.2 DA12.3 U1.4 | length 14.9
  Bottom Layer w0.5: DA12.3@14.54,71.706 14.64,71.606 DA12.3@14.735,71.606 ; U1.4@15.039,79.054 U1.4@15.25,78.844 ; C30.1@18.913,77.345 C31.2@18.913,80.343
  Bottom Layer w0.75: DA12.3@14.54,71.706 13.797,72.449 13.797,77.391 U1.4@15.25,78.844 18.609,78.844
5V: C3.1 C14.1 C25.1 C26.2 C27.1 C78.2 C79.2 C80.2 C81.2 C82.2 C83.2 C84.2 C85.2 C86.2 C87.2 C88.2 C89.2 C90.2 C91.2 C92.2 C93.2 C94.2 C95.2 C96.2 C97.1 C98.1 C99.1 C101.1 DA11.3 DD1.3 DD1.7 DD1.8 HL2.1 L2.1 R1.1 R6.2 R9.2 R11.1 U1.1 X2.10 XP3.1 XP13.2 XS1.2 | length 421.1
  Top Layer w0.5: C78.2@5.756,25.086 5.769,25.073 v3(7.064,25.073) 8.36,25.073 C79.2@8.372,25.06 ; 13.538,31.524 13.716,31.346 ; DD1.3@43.071,13.488 41.878,14.68 41.878,17.283 42.171,17.576 R11.1@43.37,17.576 ; DD1.3@43.09,12.577 43.09,11.777 45.611,9.256 45.611,7.796 DD1.8@45.63,7.777 DD1.8@45.63,7.731 ; v2(43.479,17.468) 43.479,19.137 43.797,19.455 47.91,19.455 48.203,19.163 ; DD1.7@44.36,7.777 45.584,7.777 DD1.8@45.63,7.731 ; R6.2@45.63,5.005 DD1.8@45.63,7.731 ; v3(45.631,7.71) 45.631,7.73 DD1.8@45.63,7.731 ; R1.1@48.203,17.493 48.203,19.163 ; v2(67.173,23.015) 48.902,23.015 48.203,22.316 48.203,19.163 ; X2.10@72.986,92.887 72.965,92.865 72.965,91.507 73.257,91.214 v2(79.416,91.214) ; v1(82.058,83.111) 82.058,83.192 82.236,83.37 82.236,87.226 82.639,87.629 95.926,87.629 XP3.1@97.268,88.971
  Top Layer w0.75: v1(14.748,45.545) 14.748,44.859 15.526,44.081 15.526,43.725 v1(15.535,43.716)
  Top Layer w1: HL2.1@10.633,31.524 13.538,31.524 ; 13.716,31.346 13.716,25.123 ; v9(22.495,25.123) 13.716,25.123 ; 41.878,17.283 41.878,19.362 39.738,21.503 21.811,21.503 21.225,20.917 21.225,10.597 20.639,10.011 C101.1@17.796,10.011 14.749,10.011 11.642,6.904 XP13.2@5.316,6.904 5.316,21.618 5.902,22.204 DA11.3@13.716,22.204 13.716,25.123
  Bottom Layer w0.5: L2.1@18.253,60.21 18.253,63.141 C27.1@18.228,63.166 18.228,63.566 18.578,63.916 18.978,63.916 19.136,64.075 C26.2@20.844,64.075 33.507,64.075 34.382,64.95 34.382,73.487 34.675,73.78 R9.2@41.367,73.78 ; C87.2@44.718,10.213 45.011,9.92 45.631,9.92 v3(45.631,7.71) ; XS1.2@64.557,48.11 64.55,48.103 64.55,45.551 C89.2@64.544,45.545 72.38,45.545 72.838,46.002 72.838,51.602 73.13,51.895 76.521,51.895 76.571,51.844 ; v2(67.173,23.015) 67.173,28.64 67.466,28.933 76.571,28.933 ; C88.2@73,72.482 76.532,72.482 76.571,72.443 ; 76.571,28.984 76.571,51.844 ; v1(82.058,83.111) 82.058,79.873 81.765,79.581 76.571,79.581 76.571,72.443 ; C14.1@88.385,91.061 88.388,91.061 C14.1@88.738,90.711 ; 76.571,51.844 76.571,72.443
  Bottom Layer w0.75: C98.1@2.53,6.097 4.299,6.097 5.106,6.904 XP13.2@5.316,6.904 5.316,24.881 C25.1@11.243,24.881 11.243,41.811 11.7,42.268 14.101,42.268 15.535,43.702 v1(15.535,43.716) ; v1(14.748,45.545) 14.757,45.554 14.795,45.554 15.25,46.009 U1.1@15.25,63.604 18.228,63.604 C27.1@18.228,63.566
  Bottom Layer w1: XP13.2@5.316,6.904 7.714,6.904 8.3,6.318 8.3,6.26 8.45,6.11 C94.2@8.55,6.11 ; C94.2@8.55,6.136 C96.2@11.09,6.136 C95.2@13.63,6.136 ; v2(79.416,91.214) 79.416,89.703 79.709,89.41 88.445,89.41 88.738,89.703 C14.1@88.738,90.711 ; C14.1@88.385,91.061 88.436,91.011 91.187,91.011 ; C85.2@91.772,96.954 91.772,88.852 97.149,88.852 XP3.1@97.268,88.971
12V: C107.1 C108.1 C109.1 C110.1 C111.1 C112.1 C113.1 C114.1 C115.1 C116.1 C117.1 C118.1 HL3.1 R29.2 R35.2 R44.1 R58.2 R59.2 R69.2 R70.2 R78.2 R79.2 X2.8 X3.13 X3.14 X3.15 X3.16 XP8.1 XP9.1 XP12.2 XP14.3 | length 307.4
  Top Layer w0.5: v2(73.41,88.852) v2(75.581,88.852)
  Top Layer w1: XP14.3@72.766,5.304 72.766,12.093 ; C109.1@82.093,17.782 82.118,17.808 82.118,19.154 ; HL3.1@83.344,13.414 83.344,12.269 83.168,12.093 72.766,12.093 ; C110.1@84.684,17.769 84.76,17.845 84.76,19.154 ; v4(92.507,22.507) v4(92.507,21.507) 92.507,19.775 91.886,19.154 84.76,19.154 ; 72.766,12.093 72.766,14.532 C118.1@72.694,14.604 72.694,18.568 73.28,19.154 82.118,19.154 ; 82.118,19.154 84.76,19.154
  Top Layer w1.8: X3.13@96.148,56.68 X3.15@96.148,59.22 X3.16@98.434,59.22 X3.14@98.434,56.68 X3.13@96.148,56.68
  Bottom Layer w0.5: XP12.2@27.446,94.842 27.696,95.092 27.696,97.881 27.988,98.173 70.665,98.173 70.958,97.881 70.958,89.144 71.251,88.852 v2(73.41,88.852) ; 95.802,77.041 95.848,77.041
  Bottom Layer w0.75: v1(88.016,36.299) v1(88.016,45.824) v1(88.016,55.984) v1(88.016,66.119) v1(88.016,77.041) ; 88.016,87.629 v1(88.016,77.041) ; 95.802,77.041 v1(88.016,77.041)
  Bottom Layer w1: R35.2@48.005,73.857 48.052,73.905 54.503,73.905 R29.2@54.55,73.952 54.55,68.66 55.136,68.074 60.011,68.074 60.596,68.66 60.596,77.395 61.182,77.98 73.09,77.98 73.676,78.566 73.676,85.294 74.262,85.88 74.919,85.88 75.505,86.466 75.505,87.629 ; X2.8@75.526,92.887 75.526,87.65 75.505,87.629 ; 88.016,87.629 75.505,87.629 ; v1@88.081,36.299 v1(88.016,36.234) 91.886,36.234 92.472,35.648 v4(92.472,20.399) ; C108.1@91.38,67.9 91.441,67.838 XP9.1@94.716,67.838 96.731,67.838 96.917,68.024 ; C107.1@92.116,59.137 96.064,59.137 X3.15@96.148,59.22 ; XP8.1@94.716,77.579 95.216,77.079 95.763,77.079 95.802,77.041 ; 95.848,77.041 95.911,77.041 96.917,76.034 96.917,68.024 ; 97.247,59.515 96.917,59.845 96.917,68.024
  Bottom Layer w1.8: X3.13@96.148,56.68 X3.15@96.148,59.22 X3.16@98.434,59.22 X3.14@98.434,56.68 X3.13@96.148,56.68
  other v1: 92.468,26.139 88.036,86.21
AGND: C1.2 C9.2 C28.2 C29.1 C30.2 C31.1 C34.2 C35.1 DA1.4 DA1.5 DA4.4 DA4.5 DA5.4 DA9.4 DA12.0 DA12.2 R32.1 R54.1 U1.3 XP1.2 XP2.2 | length 43.5
  Top Layer w0.5: DA5.4@3.115,70.081 DA5.4@3.136,70.102 ; DA1.4@4.165,80.952 4.211,80.998 DA1.4@4.211,81.004 ; DA1.5@4.181,75.304 4.192,75.314 4.192,76.185 DA1.5@4.211,76.204 ; XP1.2@8.49,94.804 8.469,94.825 8.469,97.467 v1(8.449,97.488) 8.449,99.007 8.741,99.3 23.093,99.3 23.386,99.007 23.386,98.913 23.536,98.763 v2(23.536,98.681) ; 13.452,67.526 20.453,67.526 20.641,67.338 ; XP2.2@18.482,94.889 18.482,99.049 ; DA9.4@22.524,69.954 22.524,74.729 23.511,74.729 23.511,74.831 23.536,74.831 ; DA4.5@23.521,76.05 DA4.5@23.521,76.241 DA4.5@23.536,76.241
  Bottom Layer w0.5: C28.2@4.715,78.641 4.988,78.641 C28.2@5.338,78.291 ; U1.3@15.23,73.783 U1.3@15.25,73.764 ; v1(23.914,78.641) C34.2@24.617,78.641
  Bottom Layer w0.75: 13.96,70.106 DA12.0@17.51,70.106 ; DA9.4@22.524,69.954 DA9.4@22.524,70.106
  other v1: 2.556,67.16 10.176,67.16 22.876,67.16 30.496,67.16 18.101,70.03 16.704,70.081 16.272,76.304 4.562,78.717 9.668,81.765 14.24,81.892 15.764,81.892 9.668,83.416 20.971,91.925 12.716,94.719 4.842,97.64 13.325,98.453 11.801,98.478
Boot0: DD2.60 R48.2 XP4.1 | length 8.4
  Top Layer w0.3: DD2.60@48.808,40.441 48.808,42.269 49.208,42.669 49.208,43.747 48.808,44.147 XP4.1@48.808,45.976
  Bottom Layer w0.5: XP4.1@48.808,45.672 48.849,45.713 R48.2@48.849,48.237
But_in: DA3.2 X2.6 | length 52.8
  Top Layer w0.5: DA3.2@40.119,75.857 40.119,80.244 49.727,80.244 52.086,82.603 v2(60.061,82.603) ; v2(74.209,87.529) 77.869,87.529 78.045,87.704 v2(78.045,88.902)
  Bottom Layer w0.3: v2(78.045,88.902) v2@78.055,88.913 ; X2.6@78.055,92.876 X2.6@78.066,92.887
  Bottom Layer w0.5: v2(60.061,82.603) 63.645,82.603 63.821,82.779 63.821,86.489 64.86,87.529 v2(74.209,87.529)
  Bottom Layer w1: v2@78.055,88.913 X2.6@78.055,92.876
Button: DD2.61 R8.2 | length 25.8
  Top Layer w0.3: DD2.61@48.308,40.441 48.308,42.897 48.458,43.047 v1(48.458,43.182)
  Bottom Layer w0.5: v1(43.348,64.01) 43.348,59.083 47.586,54.845 47.586,47.572 47.558,47.544 47.558,44.083 v1(48.458,43.182)
Data: BK1.2 DD2.16 R57.1 | length 30.1
  Top Layer w0.3: BK1.2@36.516,50.004 BK1.2@37.251,50.004 ; v2@40.656,30.279 44.746,30.279 45.008,30.541 DD2.16@45.008,31.141
  Bottom Layer w0.3: R57.1@39.691,49.269 39.691,36.132 39.208,35.649 39.208,30.658 39.638,30.228 v2(40.656,30.228)
  Bottom Layer w0.5: BK1.2@36.516,50.004 38.217,50.004 38.217,49.405 39.691,49.405 R57.1@39.691,49.269
DIR3: DD2.24 DD4.5 DD4.6 R68.1 | length 34.5
  Top Layer w0.3: R68.1@24.882,30.078 24.882,28.54 25.124,28.298 29.988,28.298 30.325,27.961 DD4.6@30.325,25.654 v2(30.96,25.654) DD4.5@31.595,25.654 ; v2@37.989,26.393 45.044,26.393 45.906,25.531 48.379,25.531 48.784,25.936 50.133,25.936 50.308,26.112 DD2.24@50.308,29.341
  Bottom Layer w0.5: v2@30.953,25.661 30.953,26.319 31.129,26.495 v2(37.76,26.495)
Door: DD2.27 R50.2 | length 27.4
  Top Layer w0.3: DD2.27@51.808,29.341 51.808,24.842 51.984,24.666 68.697,24.666 70.958,22.405 R50.2@73.666,22.405
Down: DD3.15 R62.1 | length 28.6
  Top Layer w0.5: v2(74.666,50.294) 76.223,50.294 76.516,50.587 R62.1@76.516,52.063
  Bottom Layer w0.5: v1(66.144,33.194) 67.211,33.194 67.504,33.487 67.504,43.982 67.796,44.275 74.374,44.275 74.666,44.567 v2@74.666,50.32
Dw_rl: VT3.3 X3.5 X3.6 | length 13.2
  Top Layer w0.5: VT3.3@88.516,49.116 91.173,46.459 96.087,46.459 X3.5@96.148,46.52 ; X3.6@98.373,46.459 X3.6@98.434,46.52
  Top Layer w1.8: X3.5@96.087,46.459 X3.6@98.373,46.459
  Bottom Layer w1.8: X3.5@96.402,46.571 X3.6@98.434,46.571
Enc_1: DD2.50 R28.2 | length 26
  Top Layer w0.3: DD2.50@53.808,40.441 53.808,41.746 57.166,45.104 v2(57.166,51.945) ; R28.2@55.108,63.772 R28.2@55.337,64.001 55.413,63.925 55.413,62.588 v2(57.166,60.835)
  Bottom Layer w0.5: v2(57.166,51.945) v2(57.166,60.835)
Enc_1_in: VD2.1 X2.4 | length 16.9
  Top Layer w0.3: X2.4@80.606,92.887 X2.4@80.71,92.99
  Top Layer w0.5: X2.4@80.606,92.887 80.747,92.746 80.747,91.606 81.039,91.313 88.455,91.313 88.748,91.606 88.748,92.366 89.04,92.659 93.166,92.659 93.458,92.952 VD2.1@93.458,94.443
Enc_2: DD2.54 DD2.55 R34.2 | length 29.7
  Top Layer w0.3: 50.79,51.463 v2(50.79,51.869) ; DD2.55@51.308,40.441 51.308,41.684 51.558,41.684 51.808,41.684 DD2.54@51.808,40.441
  Top Layer w0.5: v1(47.869,62.588) 47.869,63.683 48.162,63.976 R34.2@49.444,63.976 ; 50.79,51.463 52.938,49.316 52.938,47.657 53.401,47.193 53.401,44.905 51.558,43.063 51.558,41.684
  Bottom Layer w0.5: v1(47.869,62.588) 47.869,57.356 50.79,54.435 v2(50.79,51.869)
Enc_2_in: VD1.1 X2.2 | length 8.5
  Top Layer w0.5: X2.2@83.146,92.887 86.511,92.887 88.068,94.443 VD1.1@91.015,94.443
F_in_rl: VT4.3 X3.7 X3.8 | length 21.4
  Top Layer w0.5: VT4.3@88.516,59.489 88.566,59.539 VT4.3@89.112,59.539 ; VT4.3@89.113,59.489 90.313,59.489 ; 90.313,59.464 90.313,51.285 92.599,48.999 96.087,48.999 X3.7@96.148,49.06
  Top Layer w1.8: X3.7@96.148,49.06 X3.8@98.434,49.06
  Bottom Layer w1.8: X3.7@96.097,49.111 X3.8@98.383,49.111
F_out_rl: VT6.3 X3.9 X3.10 XP8.2 XP9.2 | length 42.3
  Top Layer w0.5: VT6.3@88.516,69.504 VT6.3@88.566,69.454 ; VT6.3@88.566,69.505 89.83,69.505 ; XP9.2@94.716,64.338 90.006,64.338 89.932,64.264 ; XP8.2@94.716,74.079 94.553,73.916 90.225,73.916 89.932,73.624 89.932,64.264 ; X3.9@96.148,51.6 92.665,51.6 91.71,52.555 91.71,60.505 89.932,62.283 89.932,64.264
  Top Layer w1.8: X3.9@96.148,51.575 X3.10@98.434,51.575
  Bottom Layer w1.8: X3.9@96.148,51.6 X3.10@98.434,51.6
Fan_in: DD3.3 R63.1 | length 31.8
  Top Layer w0.5: DD3.3@71.725,34.452 74.12,34.452 74.412,34.744 74.412,48.681 74.12,48.974 73.765,48.974 73.473,49.266 73.473,54.54 76.216,57.283 76.216,61.542 R63.1@76.516,61.842
Fan_out: DD2.38 R72.1 | length 53.6
  Top Layer w0.3: DD2.38@56.108,33.641 62.12,33.641 62.263,33.784 62.263,42.541 62.447,42.725 66.742,42.725 72.318,48.302 72.318,61.66 75.251,64.592 75.251,71.912 75.426,72.088 76.497,72.088 R72.1@76.516,72.069
FCLK: DD2.34 R18.2 | length 45.3
  Top Layer w0.3: DD2.34@56.108,31.641 57.76,31.641 58.207,31.194 v2(58.207,26.241)
  Bottom Layer w0.5: v2(43.183,2.847) 49.903,2.847 50.079,3.023 50.079,12.349 50.255,12.525 58.031,12.525 58.207,12.7 v2(58.207,26.241)
FCS: DD2.26 R5.1 | length 15.9
  Top Layer w0.3: v2(45.964,22.151) 46.955,22.151 49.146,24.342 51.133,24.342 51.308,24.518 DD2.26@51.308,29.341
  Bottom Layer w0.5: v2(45.866,17.458) 45.915,17.507 45.915,22.102 v2(45.964,22.151)
Fdata: DD2.33 R20.2 | length 33.6
  Top Layer w0.3: DD2.33@56.108,31.141 56.48,31.141 v2(56.48,26.368)
  Top Layer w0.5: R20.2@48.174,4.889 49.774,6.489 49.774,21.542 50.384,22.151 v2(56.455,22.151)
  Bottom Layer w0.5: v2(56.455,22.151) 56.48,22.177 v2(56.48,26.368)
G4851: C61.2 C62.2 C63.2 C64.2 DD4.11 DD4.14 DD4.16 DD4.20 VD4.3 | length 21.2
  Top Layer w0.5: v1(23.695,14.905) 23.695,16.261 23.988,16.554 DD4.11@25.245,16.554 ; DD4.16@31.595,16.554 31.595,15.027 31.69,14.933 VD4.3@31.69,9.618 ; DD4.20@36.675,16.554 36.675,16.508 DD4.20@36.721,16.462 ; C62.2@37.225,10.848 37.232,10.855 37.232,13.508 C64.2@37.239,13.515
  Bottom Layer w0.5: v1(23.695,14.905) 23.695,6.523 v1(23.714,6.505)
  other v1: 23.384,2.136 25.416,2.136 27.448,2.136 29.48,2.136 31.512,2.136 33.544,2.136 35.576,2.136 37.608,2.136